# KiCad board panel.kicad_pcb (continued)
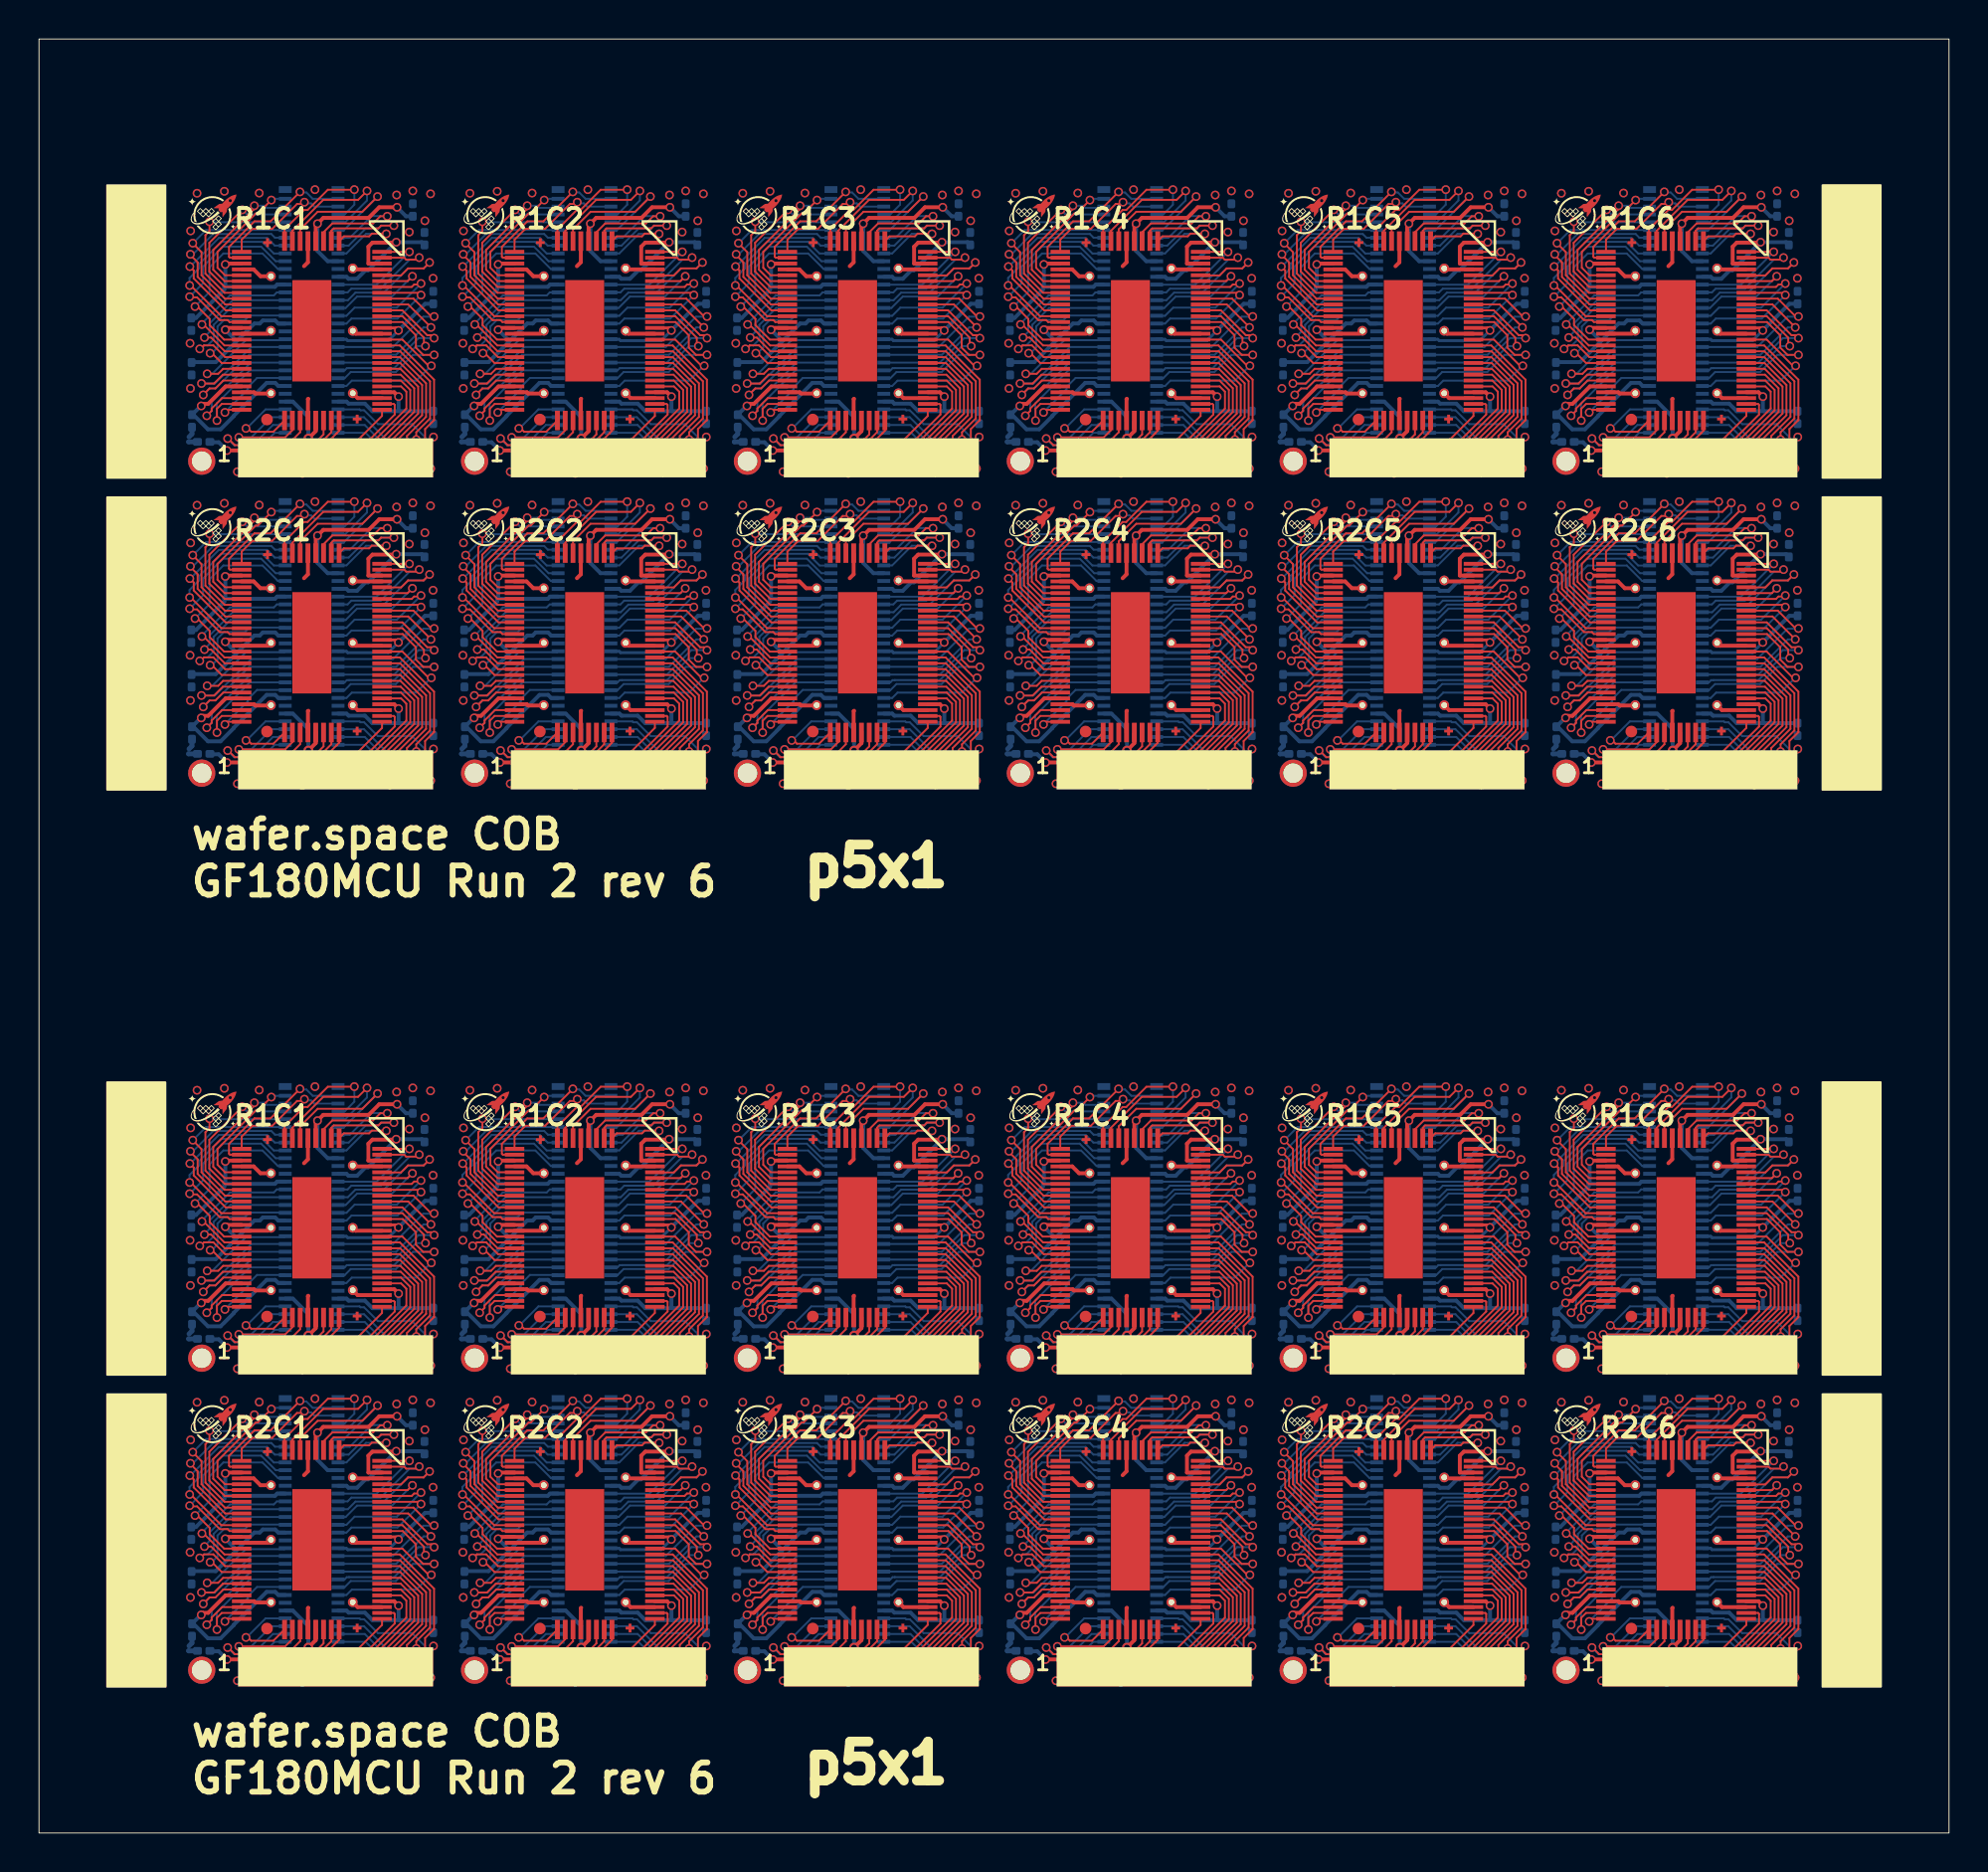
[diagram p0: board, top side]
## Routing (per net, layer and track width the routed paths; a pad name or vN(x,y) marks a point on that pad's centre or on a via; arc(x,y) is an arc through that point) (continued)
/bidir_26: length 195.7
  Top w0.1: v1(24.43,83.24) 22.74,81.55 22.74,80.08 23.53,79.29 24.4,79.29 ; 38.4,33.29 37.53,33.29 36.74,34.08 36.74,35.55 v1(38.43,37.24) ; 52.4,63.29 51.53,63.29 50.74,64.08 50.74,65.55 v1(52.43,67.24) ; 52.4,17.29 51.53,17.29 50.74,18.08 50.74,19.55 v1(52.43,21.24) ; v1(24.43,21.24) 22.74,19.55 22.74,18.08 23.53,17.29 24.4,17.29 ; v1(80.43,21.24) 78.74,19.55 78.74,18.08 79.53,17.29 80.4,17.29 ; v1(24.43,67.24) 22.74,65.55 22.74,64.08 23.53,63.29 24.4,63.29 ; 10.4,63.29 9.53,63.29 8.74,64.08 8.74,65.55 v1(10.43,67.24) ; 52.4,33.29 51.53,33.29 50.74,34.08 50.74,35.55 v1(52.43,37.24) ; v1(66.43,67.24) 64.74,65.55 64.74,64.08 65.53,63.29 66.4,63.29 ; v1(52.43,83.24) 50.74,81.55 50.74,80.08 51.53,79.29 52.4,79.29 ; v1(80.43,67.24) 78.74,65.55 78.74,64.08 79.53,63.29 80.4,63.29 ; 10.4,17.29 9.53,17.29 8.74,18.08 8.74,19.55 v1(10.43,21.24) ; 38.4,79.29 37.53,79.29 36.74,80.08 36.74,81.55 v1(38.43,83.24) ; v1(10.43,37.24) 8.74,35.55 8.74,34.08 9.53,33.29 10.4,33.29 ; v1(80.43,37.24) 78.74,35.55 78.74,34.08 79.53,33.29 80.4,33.29 ; v1(66.43,83.24) 64.74,81.55 64.74,80.08 65.53,79.29 66.4,79.29 ; 38.4,63.29 37.53,63.29 36.74,64.08 36.74,65.55 v1(38.43,67.24) ; 24.4,33.29 23.53,33.29 22.74,34.08 22.74,35.55 v1(24.43,37.24) ; 80.4,79.29 79.53,79.29 78.74,80.08 78.74,81.55 v1(80.43,83.24) ; 10.4,79.29 9.53,79.29 8.74,80.08 8.74,81.55 v1(10.43,83.24) ; 66.4,17.29 65.53,17.29 64.74,18.08 64.74,19.55 v1(66.43,21.24) ; 38.4,17.29 37.53,17.29 36.74,18.08 36.74,19.55 v1(38.43,21.24) ; 66.4,33.29 65.53,33.29 64.74,34.08 64.74,35.55 v1(66.43,37.24)
  Bottom w0.1: v1(66.43,37.24) 66.44,37.24 66.67,37.01 68.64,37.01 ; U111#2.33 80.67,83.01 80.44,83.24 v1(80.43,83.24) ; v1(24.43,67.24) 24.44,67.24 24.67,67.01 26.64,67.01 ; v1(24.43,21.24) 24.44,21.24 24.67,21.01 26.64,21.01 ; 40.64,21.01 38.67,21.01 38.44,21.24 v1(38.43,21.24) ; 26.64,83.01 24.67,83.01 24.44,83.24 v1(24.43,83.24) ; v1(52.43,83.24) 52.44,83.24 52.67,83.01 54.64,83.01 ; v1(24.43,37.24) 24.44,37.24 24.67,37.01 26.64,37.01 ; 40.64,37.01 38.67,37.01 38.44,37.24 v1(38.43,37.24) ; v1(80.43,21.24) 80.44,21.24 80.67,21.01 U123.33 ; v1(80.43,67.24) 80.44,67.24 80.67,67.01 U123#2.33 ; v1(10.43,21.24) 10.44,21.24 10.67,21.01 12.64,21.01 ; 54.64,21.01 52.67,21.01 52.44,21.24 v1(52.43,21.24) ; 12.64,37.01 10.67,37.01 10.44,37.24 v1(10.43,37.24) ; v1(80.43,37.24) 80.44,37.24 80.67,37.01 U111.33 ; v1(66.43,21.24) 66.44,21.24 66.67,21.01 68.64,21.01 ; v1(38.43,67.24) 38.44,67.24 38.67,67.01 40.64,67.01 ; v1(52.43,67.24) 52.44,67.24 52.67,67.01 54.64,67.01 ; v1(52.43,37.24) 52.44,37.24 52.67,37.01 54.64,37.01 ; v1(10.43,83.24) 10.44,83.24 10.67,83.01 12.64,83.01 ; v1(66.43,83.24) 66.44,83.24 66.67,83.01 68.64,83.01 ; v1(10.43,67.24) 10.44,67.24 10.67,67.01 12.64,67.01 ; v1(66.43,67.24) 66.44,67.24 66.67,67.01 68.64,67.01 ; v1(38.43,83.24) 38.44,83.24 38.67,83.01 40.64,83.01
/bidir_27: length 213.9
  Top w0.1: 38.4,16.99 37.52,16.99 36.54,17.97 36.54,19.94 36.75,20.15 v1(36.75,20.63) ; v1(36.75,36.63) 36.75,36.15 36.54,35.94 36.54,33.97 37.52,32.99 38.4,32.99 ; 52.4,62.99 51.52,62.99 50.54,63.97 50.54,65.94 50.75,66.15 v1(50.75,66.63) ; 80.4,62.99 79.52,62.99 78.54,63.97 78.54,65.94 78.75,66.15 v1(78.75,66.63) ; v1(22.75,66.63) 22.75,66.15 22.54,65.94 22.54,63.97 23.52,62.99 24.4,62.99 ; v1(78.75,82.63) 78.75,82.15 78.54,81.94 78.54,79.97 79.52,78.99 U112#2.52 ; 10.4,32.99 9.52,32.99 8.54,33.97 8.54,35.94 8.75,36.15 v1(8.75,36.63) ; v1(36.75,82.63) 36.75,82.15 36.54,81.94 36.54,79.97 37.52,78.99 U106#2.52 ; 80.4,32.99 79.52,32.99 78.54,33.97 78.54,35.94 78.75,36.15 v1(78.75,36.63) ; U110.52 65.52,78.99 64.54,79.97 64.54,81.94 64.75,82.15 v1(64.75,82.63) ; 52.4,32.99 51.52,32.99 50.54,33.97 50.54,35.94 50.75,36.15 v1(50.75,36.63) ; v1(50.75,20.63) 50.75,20.15 50.54,19.94 50.54,17.97 51.52,16.99 52.4,16.99 ; U104.52 23.52,78.99 22.54,79.97 22.54,81.94 22.75,82.15 v1(22.75,82.63) ; 66.4,16.99 65.52,16.99 64.54,17.97 64.54,19.94 64.75,20.15 v1(64.75,20.63) ; v1(64.75,66.63) 64.75,66.15 64.54,65.94 64.54,63.97 65.52,62.99 66.4,62.99 ; 66.4,32.99 65.52,32.99 64.54,33.97 64.54,35.94 64.75,36.15 v1(64.75,36.63) ; U102.52 9.52,78.99 8.54,79.97 8.54,81.94 8.75,82.15 v1(8.75,82.63) ; 10.4,16.99 9.52,16.99 8.54,17.97 8.54,19.94 8.75,20.15 v1(8.75,20.63) ; U108#2.52 51.52,78.99 50.54,79.97 50.54,81.94 50.75,82.15 v1(50.75,82.63) ; 10.4,62.99 9.52,62.99 8.54,63.97 8.54,65.94 8.75,66.15 v1(8.75,66.63) ; 24.4,32.99 23.52,32.99 22.54,33.97 22.54,35.94 22.75,36.15 v1(22.75,36.63) ; v1(22.75,20.63) 22.75,20.15 22.54,19.94 22.54,17.97 23.52,16.99 24.4,16.99 ; v1(78.75,20.63) 78.75,20.15 78.54,19.94 78.54,17.97 79.52,16.99 80.4,16.99 ; 38.4,62.99 37.52,62.99 36.54,63.97 36.54,65.94 36.75,66.15 v1(36.75,66.63)
  Bottom w0.1: 12.64,36.61 8.77,36.61 v1(8.75,36.63) ; 68.64,20.61 64.77,20.61 v1(64.75,20.63) ; 26.64,20.61 22.77,20.61 v1(22.75,20.63) ; 40.64,82.61 36.77,82.61 v1(36.75,82.63) ; v1(78.75,20.63) 78.77,20.61 82.64,20.61 ; v1(64.75,36.63) 64.77,36.61 68.64,36.61 ; 82.64,82.61 78.77,82.61 v1(78.75,82.63) ; v1(50.75,66.63) 50.77,66.61 54.64,66.61 ; 26.64,36.61 22.77,36.61 v1(22.75,36.63) ; 12.64,66.61 8.77,66.61 v1(8.75,66.63) ; v1(64.75,66.63) 64.77,66.61 68.64,66.61 ; 54.64,36.61 50.77,36.61 v1(50.75,36.63) ; 68.64,82.61 64.77,82.61 v1(64.75,82.63) ; v1(50.75,20.63) 50.77,20.61 54.64,20.61 ; 82.64,66.61 78.77,66.61 v1(78.75,66.63) ; 26.64,66.61 22.77,66.61 v1(22.75,66.63) ; 12.64,20.61 8.77,20.61 v1(8.75,20.63) ; 54.64,82.61 50.77,82.61 v1(50.75,82.63) ; 40.64,66.61 36.77,66.61 v1(36.75,66.63) ; 40.64,36.61 36.77,36.61 v1(36.75,36.63) ; 12.64,82.61 8.77,82.61 v1(8.75,82.63) ; 26.64,82.61 22.77,82.61 v1(22.75,82.63) ; v1(36.75,20.63) 36.77,20.61 40.64,20.61 ; 82.64,36.61 78.77,36.61 v1(78.75,36.63)
/bidir_28: length 225.9
  Top w0.1: U124.53 79.54,16.69 78.34,17.89 78.34,19.07 77.89,19.52 v1(77.89,19.53) ; v1(49.89,35.53) 49.89,35.52 50.34,35.07 50.34,33.89 51.54,32.69 U108.53 ; 38.4,78.69 37.54,78.69 36.34,79.89 36.34,81.07 35.89,81.52 v1(35.89,81.53) ; U116#2.53 23.54,16.69 22.34,17.89 22.34,19.07 21.89,19.52 v1(21.89,19.53) ; v1(63.89,81.53) 63.89,81.52 64.34,81.07 64.34,79.89 65.54,78.69 66.4,78.69 ; v1(35.89,35.53) 35.89,35.52 36.34,35.07 36.34,33.89 37.54,32.69 U106.53 ; v1(63.89,65.53) 63.89,65.52 64.34,65.07 64.34,63.89 65.54,62.69 U122.53 ; U112.53 79.54,32.69 78.34,33.89 78.34,35.07 77.89,35.52 v1(77.89,35.53) ; v1(35.89,65.53) 35.89,65.52 36.34,65.07 36.34,63.89 37.54,62.69 U118#2.53 ; v1(21.89,65.53) 21.89,65.52 22.34,65.07 22.34,63.89 23.54,62.69 U116.53 ; U122#2.53 65.54,16.69 64.34,17.89 64.34,19.07 63.89,19.52 v1(63.89,19.53) ; 52.4,78.69 51.54,78.69 50.34,79.89 50.34,81.07 49.89,81.52 v1(49.89,81.53) ; U102#2.53 9.54,32.69 8.34,33.89 8.34,35.07 7.89,35.52 v1(7.89,35.53) ; v1(49.89,65.53) 49.89,65.52 50.34,65.07 50.34,63.89 51.54,62.69 U120#2.53 ; v1(7.89,19.53) 7.89,19.52 8.34,19.07 8.34,17.89 9.54,16.69 U114#2.53 ; 24.4,78.69 23.54,78.69 22.34,79.89 22.34,81.07 21.89,81.52 v1(21.89,81.53) ; U120.53 51.54,16.69 50.34,17.89 50.34,19.07 49.89,19.52 v1(49.89,19.53) ; v1(63.89,35.53) 63.89,35.52 64.34,35.07 64.34,33.89 65.54,32.69 U110#2.53 ; U114.53 9.54,62.69 8.34,63.89 8.34,65.07 7.89,65.52 v1(7.89,65.53) ; 80.4,78.69 79.54,78.69 78.34,79.89 78.34,81.07 77.89,81.52 v1(77.89,81.53) ; v1(7.89,81.53) 7.89,81.52 8.34,81.07 8.34,79.89 9.54,78.69 10.4,78.69 ; U104#2.53 23.54,32.69 22.34,33.89 22.34,35.07 21.89,35.52 v1(21.89,35.53) ; U118.53 37.54,16.69 36.34,17.89 36.34,19.07 35.89,19.52 v1(35.89,19.53) ; v1(77.89,65.53) 77.89,65.52 78.34,65.07 78.34,63.89 79.54,62.69 U124#2.53
  Bottom w0.1: v1(21.89,81.53) 21.9,81.53 22.58,82.21 26.64,82.21 ; v1(77.89,81.53) 77.9,81.53 78.58,82.21 82.64,82.21 ; v1(77.89,35.53) 77.9,35.53 78.58,36.21 U111.31 ; 54.64,36.21 50.58,36.21 49.9,35.53 v1(49.89,35.53) ; v1(63.89,35.53) 63.9,35.53 64.58,36.21 68.64,36.21 ; v1(7.89,81.53) 7.9,81.53 8.58,82.21 12.64,82.21 ; 54.64,66.21 50.58,66.21 49.9,65.53 v1(49.89,65.53) ; U123#2.31 78.58,66.21 77.9,65.53 v1(77.89,65.53) ; v1(35.89,35.53) 35.9,35.53 36.58,36.21 40.64,36.21 ; v1(35.89,81.53) 35.9,81.53 36.58,82.21 40.64,82.21 ; 12.64,66.21 8.58,66.21 7.9,65.53 v1(7.89,65.53) ; v1(21.89,35.53) 21.9,35.53 22.58,36.21 26.64,36.21 ; v1(7.89,19.53) 7.9,19.53 8.58,20.21 12.64,20.21 ; 26.64,66.21 22.58,66.21 21.9,65.53 v1(21.89,65.53) ; 68.64,82.21 64.58,82.21 63.9,81.53 v1(63.89,81.53) ; 40.64,66.21 36.58,66.21 35.9,65.53 v1(35.89,65.53) ; v1(63.89,65.53) 63.9,65.53 64.58,66.21 68.64,66.21 ; v1(35.89,19.53) 35.9,19.53 36.58,20.21 40.64,20.21 ; v1(77.89,19.53) 77.9,19.53 78.58,20.21 U123.31 ; v1(49.89,19.53) 49.9,19.53 50.58,20.21 54.64,20.21 ; 54.64,82.21 50.58,82.21 49.9,81.53 v1(49.89,81.53) ; v1(7.89,35.53) 7.9,35.53 8.58,36.21 12.64,36.21 ; v1(21.89,19.53) 21.9,19.53 22.58,20.21 26.64,20.21 ; 68.64,20.21 64.58,20.21 63.9,19.53 v1(63.89,19.53)
/bidir_29: length 229
  Top w0.1: v1(77.77,18.96) 77.77,18.92 78.14,18.55 78.14,17.8 79.56,16.39 U124.54 ; 66.4,78.39 65.56,78.39 64.14,79.8 64.14,80.55 63.77,80.92 v1(63.77,80.96) ; v1(35.77,34.96) 35.77,34.92 36.14,34.55 36.14,33.8 37.56,32.39 U106.54 ; U116.54 23.56,62.39 22.14,63.8 22.14,64.55 21.77,64.92 v1(21.77,64.96) ; U110#2.54 65.56,32.39 64.14,33.8 64.14,34.55 63.77,34.92 v1(63.77,34.96) ; v1(63.77,64.96) 63.77,64.92 64.14,64.55 64.14,63.8 65.56,62.39 U122.54 ; U124#2.54 79.56,62.39 78.14,63.8 78.14,64.55 77.77,64.92 v1(77.77,64.96) ; U120#2.54 51.56,62.39 50.14,63.8 50.14,64.55 49.77,64.92 v1(49.77,64.96) ; 10.4,78.39 9.56,78.39 8.14,79.8 8.14,80.55 7.77,80.92 v1(7.77,80.96) ; v1(35.77,64.96) 35.77,64.92 36.14,64.55 36.14,63.8 37.56,62.39 U118#2.54 ; 24.4,78.39 23.56,78.39 22.14,79.8 22.14,80.55 21.77,80.92 v1(21.77,80.96) ; v1(49.77,34.96) 49.77,34.92 50.14,34.55 50.14,33.8 51.56,32.39 U108.54 ; U116#2.54 23.56,16.39 22.14,17.8 22.14,18.55 21.77,18.92 v1(21.77,18.96) ; v1(7.77,18.96) 7.77,18.92 8.14,18.55 8.14,17.8 9.56,16.39 U114#2.54 ; U114.54 9.56,62.39 8.14,63.8 8.14,64.55 7.77,64.92 v1(7.77,64.96) ; v1(49.77,80.96) 49.77,80.92 50.14,80.55 50.14,79.8 51.56,78.39 52.4,78.39 ; 80.4,78.39 79.56,78.39 78.14,79.8 78.14,80.55 77.77,80.92 v1(77.77,80.96) ; U118.54 37.56,16.39 36.14,17.8 36.14,18.55 35.77,18.92 v1(35.77,18.96) ; v1(63.77,18.96) 63.77,18.92 64.14,18.55 64.14,17.8 65.56,16.39 U122#2.54 ; v1(21.77,34.96) 21.77,34.92 22.14,34.55 22.14,33.8 23.56,32.39 U104#2.54 ; U112.54 79.56,32.39 78.14,33.8 78.14,34.55 77.77,34.92 v1(77.77,34.96) ; v1(35.77,80.96) 35.77,80.92 36.14,80.55 36.14,79.8 37.56,78.39 38.4,78.39 ; U102#2.54 9.56,32.39 8.14,33.8 8.14,34.55 7.77,34.92 v1(7.77,34.96) ; v1(49.77,18.96) 49.77,18.92 50.14,18.55 50.14,17.8 51.56,16.39 U120.54
  Bottom w0.1: 54.64,81.81 54.63,81.81 54.11,81.81 53.92,82 50.94,82 49.89,80.95 49.78,80.95 v1(49.77,80.96) ; v1(77.77,80.96) 77.78,80.95 77.89,80.95 78.94,82 81.92,82 82.11,81.81 82.63,81.81 U111#2.30 ; v1(35.77,34.96) 35.78,34.95 35.89,34.95 36.94,36 39.92,36 40.11,35.81 40.63,35.81 40.64,35.81 ; v1(49.77,64.96) 49.78,64.95 49.89,64.95 50.94,66 53.92,66 54.11,65.81 54.63,65.81 54.64,65.81 ; 68.64,19.81 68.63,19.81 68.11,19.81 67.92,20 64.94,20 63.89,18.95 63.78,18.95 v1(63.77,18.96) ; v1(35.77,64.96) 35.78,64.95 35.89,64.95 36.94,66 39.92,66 40.11,65.81 40.63,65.81 40.64,65.81 ; 40.64,19.81 40.63,19.81 40.11,19.81 39.92,20 36.94,20 35.89,18.95 35.78,18.95 v1(35.77,18.96) ; v1(7.77,18.96) 7.78,18.95 7.89,18.95 8.94,20 11.92,20 12.11,19.81 12.63,19.81 12.64,19.81 ; v1(21.77,80.96) 21.78,80.95 21.89,80.95 22.94,82 25.92,82 26.11,81.81 26.63,81.81 26.64,81.81 ; v1(7.77,34.96) 7.78,34.95 7.89,34.95 8.94,36 11.92,36 12.11,35.81 12.63,35.81 12.64,35.81 ; 68.64,81.81 68.63,81.81 68.11,81.81 67.92,82 64.94,82 63.89,80.95 63.78,80.95 v1(63.77,80.96) ; v1(21.77,18.96) 21.78,18.95 21.89,18.95 22.94,20 25.92,20 26.11,19.81 26.63,19.81 26.64,19.81 ; 26.64,65.81 26.63,65.81 26.11,65.81 25.92,66 22.94,66 21.89,64.95 21.78,64.95 v1(21.77,64.96) ; v1(77.77,64.96) 77.78,64.95 77.89,64.95 78.94,66 81.92,66 82.11,65.81 82.63,65.81 U123#2.30 ; 40.64,81.81 40.63,81.81 40.11,81.81 39.92,82 36.94,82 35.89,80.95 35.78,80.95 v1(35.77,80.96) ; v1(49.77,18.96) 49.78,18.95 49.89,18.95 50.94,20 53.92,20 54.11,19.81 54.63,19.81 54.64,19.81 ; v1(77.77,34.96) 77.78,34.95 77.89,34.95 78.94,36 81.92,36 82.11,35.81 82.63,35.81 U111.30 ; v1(7.77,80.96) 7.78,80.95 7.89,80.95 8.94,82 11.92,82 12.11,81.81 12.63,81.81 12.64,81.81 ; 68.64,35.81 68.63,35.81 68.11,35.81 67.92,36 64.94,36 63.89,34.95 63.78,34.95 v1(63.77,34.96) ; U123.30 82.63,19.81 82.11,19.81 81.92,20 78.94,20 77.89,18.95 77.78,18.95 v1(77.77,18.96) ; 12.64,65.81 12.63,65.81 12.11,65.81 11.92,66 8.94,66 7.89,64.95 7.78,64.95 v1(7.77,64.96) ; 26.64,35.81 26.63,35.81 26.11,35.81 25.92,36 22.94,36 21.89,34.95 21.78,34.95 v1(21.77,34.96) ; v1(63.77,64.96) 63.78,64.95 63.89,64.95 64.94,66 67.92,66 68.11,65.81 68.63,65.81 68.64,65.81 ; v1(49.77,34.96) 49.78,34.95 49.89,34.95 50.94,36 53.92,36 54.11,35.81 54.63,35.81 54.64,35.81
/bidir_30: length 227.9
  Top w0.1: v1(63.74,64.33) 63.94,64.13 63.94,63.72 65.58,62.09 66.4,62.09 ; 80.4,78.09 79.58,78.09 77.94,79.72 77.94,80.13 v1(77.74,80.33) ; 38.4,32.09 37.58,32.09 35.94,33.72 35.94,34.13 v1(35.74,34.33) ; v1(77.74,18.33) 77.94,18.13 77.94,17.72 79.58,16.09 80.4,16.09 ; 66.4,16.09 65.58,16.09 63.94,17.72 63.94,18.13 v1(63.74,18.33) ; 66.4,78.09 65.58,78.09 63.94,79.72 63.94,80.13 v1(63.74,80.33) ; v1(35.74,64.33) 35.94,64.13 35.94,63.72 37.58,62.09 38.4,62.09 ; 10.4,62.09 9.58,62.09 7.94,63.72 7.94,64.13 v1(7.74,64.33) ; v1(49.74,80.33) 49.94,80.13 49.94,79.72 51.58,78.09 52.4,78.09 ; v1(49.74,64.33) 49.94,64.13 49.94,63.72 51.58,62.09 52.4,62.09 ; 24.4,16.09 23.58,16.09 21.94,17.72 21.94,18.13 v1(21.74,18.33) ; v1(21.74,64.33) 21.94,64.13 21.94,63.72 23.58,62.09 24.4,62.09 ; v1(77.74,34.33) 77.94,34.13 77.94,33.72 79.58,32.09 80.4,32.09 ; v1(21.74,34.33) 21.94,34.13 21.94,33.72 23.58,32.09 24.4,32.09 ; 10.4,78.09 9.58,78.09 7.94,79.72 7.94,80.13 v1(7.74,80.33) ; 38.4,16.09 37.58,16.09 35.94,17.72 35.94,18.13 v1(35.74,18.33) ; 10.4,16.09 9.58,16.09 7.94,17.72 7.94,18.13 v1(7.74,18.33) ; v1(49.74,34.33) 49.94,34.13 49.94,33.72 51.58,32.09 52.4,32.09 ; 38.4,78.09 37.58,78.09 35.94,79.72 35.94,80.13 v1(35.74,80.33) ; v1(7.74,34.33) 7.94,34.13 7.94,33.72 9.58,32.09 10.4,32.09 ; 24.4,78.09 23.58,78.09 21.94,79.72 21.94,80.13 v1(21.74,80.33) ; 80.4,62.09 79.58,62.09 77.94,63.72 77.94,64.13 v1(77.74,64.33) ; 66.4,32.09 65.58,32.09 63.94,33.72 63.94,34.13 v1(63.74,34.33) ; v1(49.74,18.33) 49.94,18.13 49.94,17.72 51.58,16.09 52.4,16.09
  Bottom w0.1: 12.64,81.41 12.1,81.41 11.7,81.8 9.23,81.8 7.76,80.33 v1(7.74,80.33) ; v1(77.74,34.33) 77.76,34.33 79.23,35.8 81.7,35.8 82.1,35.41 U111.29 ; 12.64,19.41 12.1,19.41 11.7,19.8 9.23,19.8 7.76,18.33 v1(7.74,18.33) ; v1(7.74,64.33) 7.76,64.33 9.23,65.8 11.7,65.8 12.1,65.41 12.64,65.41 ; U123.29 82.1,19.41 81.7,19.8 79.23,19.8 77.76,18.33 v1(77.74,18.33) ; 68.64,65.41 68.1,65.41 67.7,65.8 65.23,65.8 63.76,64.33 v1(63.74,64.33) ; U123#2.29 82.1,65.41 81.7,65.8 79.23,65.8 77.76,64.33 v1(77.74,64.33) ; 26.64,19.41 26.1,19.41 25.7,19.8 23.23,19.8 21.76,18.33 v1(21.74,18.33) ; v1(35.74,80.33) 35.76,80.33 37.23,81.8 39.7,81.8 40.1,81.41 40.64,81.41 ; v1(21.74,34.33) 21.76,34.33 23.23,35.8 25.7,35.8 26.1,35.41 26.64,35.41 ; 68.64,35.41 68.1,35.41 67.7,35.8 65.23,35.8 63.76,34.33 v1(63.74,34.33) ; 68.64,19.41 68.1,19.41 67.7,19.8 65.23,19.8 63.76,18.33 v1(63.74,18.33) ; v1(49.74,18.33) 49.76,18.33 51.23,19.8 53.7,19.8 54.1,19.41 54.64,19.41 ; v1(21.74,80.33) 21.76,80.33 23.23,81.8 25.7,81.8 26.1,81.41 26.64,81.41 ; 12.64,35.41 12.1,35.41 11.7,35.8 9.23,35.8 7.76,34.33 v1(7.74,34.33) ; v1(21.74,64.33) 21.76,64.33 23.23,65.8 25.7,65.8 26.1,65.41 26.64,65.41 ; 54.64,81.41 54.1,81.41 53.7,81.8 51.23,81.8 49.76,80.33 v1(49.74,80.33) ; 82.64,81.41 82.1,81.41 81.7,81.8 79.23,81.8 77.76,80.33 v1(77.74,80.33) ; 68.64,81.41 68.1,81.41 67.7,81.8 65.23,81.8 63.76,80.33 v1(63.74,80.33) ; 54.64,65.41 54.1,65.41 53.7,65.8 51.23,65.8 49.76,64.33 v1(49.74,64.33) ; v1(35.74,18.33) 35.76,18.33 37.23,19.8 39.7,19.8 40.1,19.41 40.64,19.41 ; 40.64,35.41 40.1,35.41 39.7,35.8 37.23,35.8 35.76,34.33 v1(35.74,34.33) ; v1(49.74,34.33) 49.76,34.33 51.23,35.8 53.7,35.8 54.1,35.41 54.64,35.41 ; 40.64,65.41 40.1,65.41 39.7,65.8 37.23,65.8 35.76,64.33 v1(35.74,64.33)
/bidir_31: length 233.1
  Top w0.1: U116.56 23.36,61.79 21.78,63.36 v1(21.73,63.36) ; U106.56 37.36,31.79 35.78,33.36 v1(35.73,33.36) ; U114#2.56 9.36,15.79 7.78,17.36 v1(7.73,17.36) ; v1(7.73,63.36) 7.78,63.36 9.36,61.79 U114.56 ; U102.56 9.36,77.79 7.78,79.36 v1(7.73,79.36) ; 7.83,63.5 7.83,63.42 ; v1(49.73,79.36) 49.78,79.36 51.36,77.79 U108#2.56 ; U104.56 23.36,77.79 21.78,79.36 v1(21.73,79.36) ; 49.83,79.5 49.83,79.42 ; v1(49.73,17.36) 49.78,17.36 51.36,15.79 U120.56 ; U124#2.56 79.36,61.79 77.78,63.36 v1(77.73,63.36) ; U102#2.56 9.36,31.79 7.78,33.36 v1(7.73,33.36) ; v1(63.73,17.36) 63.78,17.36 65.36,15.79 U122#2.56 ; v1(35.73,17.36) 35.78,17.36 37.36,15.79 U118.56 ; U106#2.56 37.36,77.79 35.78,79.36 v1(35.73,79.36) ; v1(49.73,63.36) 49.78,63.36 51.36,61.79 U120#2.56 ; U116#2.56 23.36,15.79 21.78,17.36 v1(21.73,17.36) ; 21.83,33.5 21.83,33.42 ; 35.83,63.5 35.83,63.42 ; 77.83,33.5 77.83,33.42 ; 35.83,17.5 35.83,17.42 ; 63.83,33.5 63.83,33.42 ; v1(77.73,17.36) 77.78,17.36 79.36,15.79 U124.56 ; U104#2.56 23.36,31.79 21.78,33.36 v1(21.73,33.36) ; 49.83,63.5 49.83,63.42 ; 7.83,17.5 7.83,17.42 ; U112#2.56 79.36,77.79 77.78,79.36 v1(77.73,79.36) ; 21.83,17.5 21.83,17.42 ; 35.83,79.5 35.83,79.42 ; 21.83,79.5 21.83,79.42 ; U108.56 51.36,31.79 49.78,33.36 v1(49.73,33.36) ; v1(35.73,63.36) 35.78,63.36 37.36,61.79 U118#2.56 ; 7.83,79.5 7.83,79.42 ; 77.83,63.5 77.83,63.42 ; v1(77.73,33.36) 77.78,33.36 79.36,31.79 U112.56 ; 63.83,63.5 63.83,63.42 ; 63.83,79.5 63.83,79.42 ; U110.56 65.36,77.79 63.78,79.36 v1(63.73,79.36) ; 21.83,63.5 21.83,63.42 ; 7.83,33.5 7.83,33.42 ; 49.83,17.5 49.83,17.42 ; v1(63.73,63.36) 63.78,63.36 65.36,61.79 U122.56 ; 77.83,17.5 77.83,17.42 ; 77.83,79.5 77.83,79.42 ; v1(63.73,33.36) 63.78,33.36 65.36,31.79 U110#2.56 ; 35.83,33.5 35.83,33.42 ; 49.83,33.5 49.83,33.42 ; 63.83,17.5 63.83,17.42
  Bottom w0.1: 77.73,79.49 77.73,79.75 78.22,80.24 78.22,80.46 79.36,81.6 81.45,81.6 82.05,81 82.63,81 U111#2.28 ; U123#2.28 82.63,65 82.05,65 81.45,65.6 79.36,65.6 78.22,64.46 78.22,64.24 77.73,63.75 77.73,63.49 ; 54.64,35.01 54.63,35 54.05,35 53.45,35.6 51.36,35.6 50.22,34.46 50.22,34.24 49.72,33.75 49.72,33.49 ; 40.64,35.01 40.63,35 40.05,35 39.45,35.6 37.36,35.6 36.22,34.46 36.22,34.24 35.72,33.75 35.72,33.49 ; 63.72,63.49 63.72,63.75 64.22,64.24 64.22,64.46 65.36,65.6 67.45,65.6 68.05,65 68.63,65 68.64,65.01 ; 35.72,17.49 35.72,17.75 36.22,18.24 36.22,18.46 37.36,19.6 39.45,19.6 40.05,19 40.63,19 40.64,19.01 ; 35.72,63.49 35.72,63.75 36.22,64.24 36.22,64.46 37.36,65.6 39.45,65.6 40.05,65 40.63,65 40.64,65.01 ; 12.64,19.01 12.63,19 12.05,19 11.45,19.6 9.36,19.6 8.22,18.46 8.22,18.24 7.72,17.75 7.72,17.49 ; 12.64,35.01 12.63,35 12.05,35 11.45,35.6 9.36,35.6 8.22,34.46 8.22,34.24 7.72,33.75 7.72,33.49 ; 26.64,19.01 26.63,19 26.05,19 25.45,19.6 23.36,19.6 22.22,18.46 22.22,18.24 21.72,17.75 21.72,17.49 ; 21.72,33.49 21.72,33.75 22.22,34.24 22.22,34.46 23.36,35.6 25.45,35.6 26.05,35 26.63,35 26.64,35.01 ; 26.64,81.01 26.63,81 26.05,81 25.45,81.6 23.36,81.6 22.22,80.46 22.22,80.24 21.72,79.75 21.72,79.49 ; 49.72,17.49 49.72,17.75 50.22,18.24 50.22,18.46 51.36,19.6 53.45,19.6 54.05,19 54.63,19 54.64,19.01 ; 12.64,81.01 12.63,81 12.05,81 11.45,81.6 9.36,81.6 8.22,80.46 8.22,80.24 7.72,79.75 7.72,79.49 ; 77.73,17.49 77.73,17.75 78.22,18.24 78.22,18.46 79.36,19.6 81.45,19.6 82.05,19 82.63,19 U123.28 ; U111.28 82.63,35 82.05,35 81.45,35.6 79.36,35.6 78.22,34.46 78.22,34.24 77.73,33.75 77.73,33.49 ; 26.64,65.01 26.63,65 26.05,65 25.45,65.6 23.36,65.6 22.22,64.46 22.22,64.24 21.72,63.75 21.72,63.49 ; 49.72,79.49 49.72,79.75 50.22,80.24 50.22,80.46 51.36,81.6 53.45,81.6 54.05,81 54.63,81 54.64,81.01 ; 68.64,19.01 68.63,19 68.05,19 67.45,19.6 65.36,19.6 64.22,18.46 64.22,18.24 63.72,17.75 63.72,17.49 ; 63.72,33.49 63.72,33.75 64.22,34.24 64.22,34.46 65.36,35.6 67.45,35.6 68.05,35 68.63,35 68.64,35.01 ; 35.72,79.49 35.72,79.75 36.22,80.24 36.22,80.46 37.36,81.6 39.45,81.6 40.05,81 40.63,81 40.64,81.01 ; 54.64,65.01 54.63,65 54.05,65 53.45,65.6 51.36,65.6 50.22,64.46 50.22,64.24 49.72,63.75 49.72,63.49 ; 63.72,79.49 63.72,79.75 64.22,80.24 64.22,80.46 65.36,81.6 67.45,81.6 68.05,81 68.63,81 68.64,81.01 ; 12.64,65.01 12.63,65 12.05,65 11.45,65.6 9.36,65.6 8.22,64.46 8.22,64.24 7.72,63.75 7.72,63.49
/bidir_32: length 241.1
  Top w0.1: U112.57 79.78,31.49 79.68,31.59 79.27,31.59 78.11,32.75 77.89,32.75 77.72,32.92 ; U108.57 51.78,31.49 51.68,31.59 51.28,31.59 50.11,32.75 49.89,32.75 49.72,32.92 ; U122.57 65.78,61.49 65.68,61.59 65.28,61.59 64.11,62.75 63.89,62.75 63.72,62.92 ; 63.72,32.92 63.89,32.75 64.11,32.75 65.28,31.59 65.68,31.59 65.78,31.49 U110#2.57 ; 49.72,62.92 49.89,62.75 50.11,62.75 51.28,61.59 51.68,61.59 51.78,61.49 U120#2.57 ; 35.72,62.92 35.89,62.75 36.11,62.75 37.28,61.59 37.68,61.59 37.78,61.49 U118#2.57 ; U124.57 79.78,15.49 79.68,15.59 79.27,15.59 78.11,16.75 77.89,16.75 77.72,16.92 ; 35.72,78.92 35.89,78.75 36.11,78.75 37.28,77.59 37.68,77.59 37.78,77.49 38.4,77.49 ; U114.57 9.78,61.49 9.68,61.59 9.28,61.59 8.11,62.75 7.89,62.75 7.72,62.92 ; U122#2.57 65.78,15.49 65.68,15.59 65.28,15.59 64.11,16.75 63.89,16.75 63.72,16.92 ; 52.4,77.49 51.78,77.49 51.68,77.59 51.28,77.59 50.11,78.75 49.89,78.75 49.72,78.92 ; 21.72,78.92 21.89,78.75 22.11,78.75 23.28,77.59 23.68,77.59 23.78,77.49 24.4,77.49 ; U124#2.57 79.78,61.49 79.68,61.59 79.27,61.59 78.11,62.75 77.89,62.75 77.72,62.92 ; 35.72,16.92 35.89,16.75 36.11,16.75 37.28,15.59 37.68,15.59 37.78,15.49 U118.57 ; U120.57 51.78,15.49 51.68,15.59 51.28,15.59 50.11,16.75 49.89,16.75 49.72,16.92 ; 63.72,78.92 63.89,78.75 64.11,78.75 65.28,77.59 65.68,77.59 65.78,77.49 66.4,77.49 ; 35.72,32.92 35.89,32.75 36.11,32.75 37.28,31.59 37.68,31.59 37.78,31.49 U106.57 ; 7.72,16.92 7.89,16.75 8.11,16.75 9.28,15.59 9.68,15.59 9.78,15.49 U114#2.57 ; 21.72,62.92 21.89,62.75 22.11,62.75 23.28,61.59 23.68,61.59 23.78,61.49 U116.57 ; 7.72,32.92 7.89,32.75 8.11,32.75 9.28,31.59 9.68,31.59 9.78,31.49 U102#2.57 ; U104#2.57 23.78,31.49 23.68,31.59 23.28,31.59 22.11,32.75 21.89,32.75 21.72,32.92 ; 21.72,16.92 21.89,16.75 22.11,16.75 23.28,15.59 23.68,15.59 23.78,15.49 U116#2.57 ; 80.4,77.49 79.78,77.49 79.68,77.59 79.27,77.59 78.11,78.75 77.89,78.75 77.72,78.92 ; 7.72,78.92 7.89,78.75 8.11,78.75 9.28,77.59 9.68,77.59 9.78,77.49 10.4,77.49
  Bottom w0.1: v1(63.73,62.78) 64.42,63.47 64.42,64.33 65.44,65.35 67.4,65.35 68.15,64.61 68.64,64.61 ; U111#2.27 82.15,80.61 81.4,81.35 79.44,81.35 78.42,80.33 78.42,79.47 v1(77.73,78.78) ; 54.64,64.61 54.15,64.61 53.4,65.35 51.44,65.35 50.42,64.33 50.42,63.47 v1(49.73,62.78) ; v1(49.73,32.78) 50.42,33.47 50.42,34.33 51.44,35.35 53.4,35.35 54.15,34.61 54.64,34.61 ; v1(77.73,62.78) 78.42,63.47 78.42,64.33 79.44,65.35 81.4,65.35 82.15,64.61 U123#2.27 ; 26.64,80.61 26.15,80.61 25.4,81.35 23.44,81.35 22.42,80.33 22.42,79.47 v1(21.73,78.78) ; v1(21.73,16.78) 22.42,17.47 22.42,18.33 23.44,19.35 25.4,19.35 26.15,18.61 26.64,18.61 ; 12.64,34.61 12.15,34.61 11.4,35.35 9.44,35.35 8.42,34.33 8.42,33.47 v1(7.73,32.78) ; 40.64,34.61 40.15,34.61 39.4,35.35 37.44,35.35 36.42,34.33 36.42,33.47 v1(35.73,32.78) ; v1(63.73,16.78) 64.42,17.47 64.42,18.33 65.44,19.35 67.4,19.35 68.15,18.61 68.64,18.61 ; v1(35.73,16.78) 36.42,17.47 36.42,18.33 37.44,19.35 39.4,19.35 40.15,18.61 40.64,18.61 ; v1(77.73,32.78) 78.42,33.47 78.42,34.33 79.44,35.35 81.4,35.35 82.15,34.61 U111.27 ; v1(21.73,32.78) 22.42,33.47 22.42,34.33 23.44,35.35 25.4,35.35 26.15,34.61 26.64,34.61 ; U123.27 82.15,18.61 81.4,19.35 79.44,19.35 78.42,18.33 78.42,17.47 v1(77.73,16.78) ; v1(21.73,62.78) 22.42,63.47 22.42,64.33 23.44,65.35 25.4,65.35 26.15,64.61 26.64,64.61 ; v1(7.73,78.78) 8.42,79.47 8.42,80.33 9.44,81.35 11.4,81.35 12.15,80.61 12.64,80.61 ; 12.64,18.61 12.15,18.61 11.4,19.35 9.44,19.35 8.42,18.33 8.42,17.47 v1(7.73,16.78) ; v1(63.73,32.78) 64.42,33.47 64.42,34.33 65.44,35.35 67.4,35.35 68.15,34.61 68.64,34.61 ; 40.64,64.61 40.15,64.61 39.4,65.35 37.44,65.35 36.42,64.33 36.42,63.47 v1(35.73,62.78) ; 54.64,80.61 54.15,80.61 53.4,81.35 51.44,81.35 50.42,80.33 50.42,79.47 v1(49.73,78.78) ; 12.64,64.61 12.15,64.61 11.4,65.35 9.44,65.35 8.42,64.33 8.42,63.47 v1(7.73,62.78) ; v1(63.73,78.78) 64.42,79.47 64.42,80.33 65.44,81.35 67.4,81.35 68.15,80.61 68.64,80.61 ; 40.64,80.61 40.15,80.61 39.4,81.35 37.44,81.35 36.42,80.33 36.42,79.47 v1(35.73,78.78) ; 54.64,18.61 54.15,18.61 53.4,19.35 51.44,19.35 50.42,18.33 50.42,17.47 v1(49.73,16.78)
/bidir_33: length 243.7
  Top w0.1: U108#2.60 51.5,76.59 50.76,77.32 50.76,77.65 50.13,78.28 v1(50.01,78.28) ; 50,32.41 50.04,32.41 ; v1(36.01,32.28) 36.13,32.28 36.76,31.65 36.76,31.32 37.5,30.59 U106.60 ; 50,62.41 50.04,62.41 ; 8,62.41 8.04,62.41 ; U120#2.60 51.5,60.59 50.76,61.32 50.76,61.65 50.13,62.28 v1(50.01,62.28) ; v1(8.01,32.28) 8.13,32.28 8.76,31.65 8.76,31.32 9.5,30.59 U102#2.60 ; v1(22.01,16.28) 22.13,16.28 22.76,15.65 22.76,15.32 23.5,14.59 U116#2.60 ; 22,32.41 22.04,32.41 ; U112#2.60 79.5,76.59 78.76,77.32 78.76,77.65 78.13,78.28 v1(78.01,78.28) ; v1(22.01,78.28) 22.13,78.28 22.76,77.65 22.76,77.32 23.5,76.59 U104.60 ; 36,32.41 36.04,32.41 ; 64,32.41 64.04,32.41 ; v1(78.01,32.28) 78.13,32.28 78.76,31.65 78.76,31.32 79.5,30.59 U112.60 ; v1(8.01,62.28) 8.13,62.28 8.76,61.65 8.76,61.32 9.5,60.59 U114.60 ; U118#2.60 37.5,60.59 36.76,61.32 36.76,61.65 36.13,62.28 v1(36.01,62.28) ; 36,62.41 36.04,62.41 ; U124#2.60 79.5,60.59 78.76,61.32 78.76,61.65 78.13,62.28 v1(78.01,62.28) ; v1(8.01,78.28) 8.13,78.28 8.76,77.65 8.76,77.32 9.5,76.59 U102.60 ; 8,16.41 8.04,16.41 ; v1(64.01,62.28) 64.13,62.28 64.76,61.65 64.76,61.32 65.5,60.59 U122.60 ; 36,16.41 36.04,16.41 ; v1(36.01,78.28) 36.13,78.28 36.76,77.65 36.76,77.32 37.5,76.59 U106#2.60 ; v1(78.01,16.28) 78.13,16.28 78.76,15.65 78.76,15.32 79.5,14.59 U124.60 ; U110#2.60 65.5,30.59 64.76,31.32 64.76,31.65 64.13,32.28 v1(64.01,32.28) ; 36,78.41 36.04,78.41 ; 22,16.41 22.04,16.41 ; v1(50.01,16.28) 50.13,16.28 50.76,15.65 50.76,15.32 51.5,14.59 U120.60 ; 78,16.41 78.04,16.41 ; v1(50.01,32.28) 50.13,32.28 50.76,31.65 50.76,31.32 51.5,30.59 U108.60 ; 78,62.41 78.04,62.41 ; 64,16.41 64.04,16.41 ; 22,62.41 22.04,62.41 ; 50,78.41 50.04,78.41 ; U110.60 65.5,76.59 64.76,77.32 64.76,77.65 64.13,78.28 v1(64.01,78.28) ; U116.60 23.5,60.59 22.76,61.32 22.76,61.65 22.13,62.28 v1(22.01,62.28) ; U114#2.60 9.5,14.59 8.76,15.32 8.76,15.65 8.13,16.28 v1(8.01,16.28) ; v1(22.01,32.28) 22.13,32.28 22.76,31.65 22.76,31.32 23.5,30.59 U104#2.60 ; 64,78.41 64.04,78.41 ; 8,32.41 8.04,32.41 ; 8,78.41 8.04,78.41 ; v1(64.01,16.28) 64.13,16.28 64.76,15.65 64.76,15.32 65.5,14.59 U122#2.60 ; 50,16.41 50.04,16.41 ; 78,78.41 78.04,78.41 ; v1(36.01,16.28) 36.13,16.28 36.76,15.65 36.76,15.32 37.5,14.59 U118.60 ; 22,78.41 22.04,78.41 ; 78,32.41 78.04,32.41 ; 64,62.41 64.04,62.41